# Altium PCB PCB_4Layer.PcbDoc (continued)
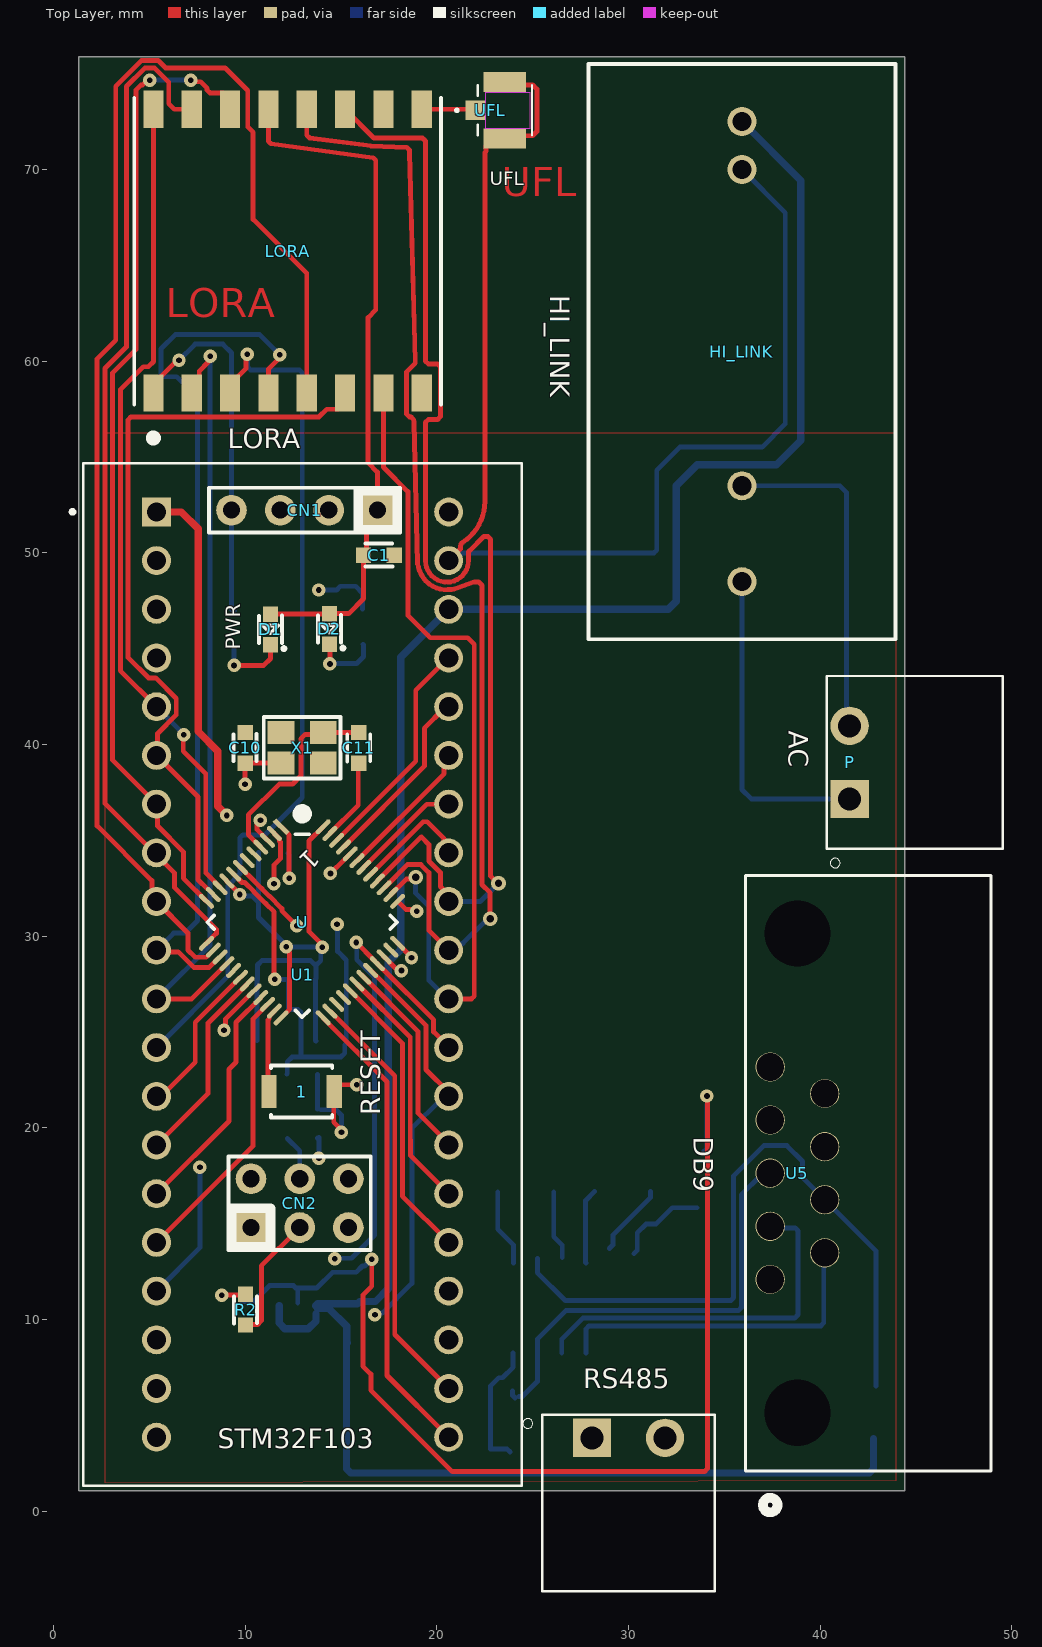
[diagram p0: Top Layer view]
## Footprints (in the part's own frame and the unit in brackets; to place one, negate y for a bottom-side part, rotate by r counter-clockwise, add the part's x,y. Pads: shape width x height; smd on the part's side, far side on the other; paste and mask are expansions set on the pad) (continued)
  rect 1x0.25 smd mask+0: 1(-4.3,2.75)
  oval 1x0.25 smd mask+0: 2(-4.3,2.25) 3(-4.3,1.75) 4(-4.3,1.25) 5(-4.3,0.75) 6(-4.3,0.25) 7(-4.3,-0.25) 8(-4.3,-0.75) 9(-4.3,-1.25) 10(-4.3,-1.75) 11(-4.3,-2.25) 12(-4.3,-2.75) 25(4.3,-2.75) 26(4.3,-2.25) 27(4.3,-1.75) 28(4.3,-1.25) 29(4.3,-0.75) 30(4.3,-0.25) 31(4.3,0.25) 32(4.3,0.75) 33(4.3,1.25) 34(4.3,1.75) 35(4.3,2.25) 36(4.3,2.75)
  oval 0.25x1 smd mask+0: 13(-2.75,-4.3) 14(-2.25,-4.3) 15(-1.75,-4.3) 16(-1.25,-4.3) 17(-0.75,-4.3) 18(-0.25,-4.3) 19(0.25,-4.3) 20(0.75,-4.3) 21(1.25,-4.3) 22(1.75,-4.3) 23(2.25,-4.3) 24(2.75,-4.3) 37(2.75,4.3) 38(2.25,4.3) 39(1.75,4.3) 40(1.25,4.3) 41(0.75,4.3) 42(0.25,4.3) 43(-0.25,4.3) 44(-0.75,4.3) 45(-1.25,4.3) 46(-1.75,4.3) 47(-2.25,4.3) 48(-2.75,4.3)
  silkscreen extent -4.25,-3.5 3.5,4.26, body extent -4.5,-4.5 4.5,4.5, height 1.45
Omron_B3U-1000P_M_0 [mm]
  rect 0.8x1.7 smd paste+0 mask+0: 1(-1.7,0) 2(1.7,0)
  silkscreen extent -1.6,-1.35 1.6,1.35, body extent -2,-1.25 2,1.25, height 1.76
PHOENIX_1803277 [mm]
  rect 2x2 hole 1.2: 1(-1.905,0)
  round 2 hole 1.2: 2(1.905,0)
  silkscreen extent -5.5,-8 4.5,1.2, body extent -4.46,-8 4.55,1.2, height 7.25
RES1608_04 [mm] "Thick Film Resistor, Body 1.6x0.8x0.45mm"
  rect 0.8x0.8 smd: 1(-0.8,0) 2(0.8,0)
  silkscreen extent -0.7,-0.6 0.72,0.6, body extent -0.8,-0.4 0.8,0.4, height 0.38
SO-16_STM [mm]
  rect 1.97x0.507 smd paste+0 mask+0: 1(-2.464,4.445) 2(-2.464,3.175) 3(-2.464,1.905) 4(-2.464,0.635) 5(-2.464,-0.635) 6(-2.464,-1.905) 7(-2.464,-3.175) 8(-2.464,-4.445) 9(2.464,-4.445) 10(2.464,-3.175) 11(2.464,-1.905) 12(2.464,-0.635) 13(2.464,0.635) 14(2.464,1.905) 15(2.464,3.175) 16(2.464,4.445)
  silkscreen extent -2.13,-5.13 3.96,5.13, body extent -3.1,-5 3.1,5, height 1.76
SOIC127P600X175-8N [mm]
  rrect25% 1.97x0.59 smd: 1(-2.475,1.905) 2(-2.475,0.635) 3(-2.475,-0.635) 4(-2.475,-1.905) 5(2.475,-1.905) 6(2.475,-0.635) 7(2.475,0.635) 8(2.475,1.905)
  silkscreen extent -4.54,-2.52 2,2.59, body extent -3,-2.45 3,2.45, height 1.75
SOT23-5 [mm] "SOT23, 5-Leads, Body 2.9x1.6mm, Pitch 0.95mm, Lead Span 2.8mm, IPC Medium Density"
  rect 1x0.6 smd mask+0.03: 1(-1.1,0.95) 2(-1.1,0) 3(-1.1,-0.95) 4(1.1,-0.95) 5(1.1,0.95)
  silkscreen extent -1.32,-1.55 0.25,1.95, body extent -1.5,-1.5 1.5,1.5, height 1.45
XCVR_RFM95W-868S2 [mm]
  rect 1.95x1.05 smd: 1(-7.4,7) 2(-7.4,5) 3(-7.4,3) 4(-7.4,1) 5(-7.4,-1) 6(-7.4,-3) 7(-7.4,-5) 8(-7.4,-7) 9(7.4,-7) 10(7.4,-5) 11(7.4,-3) 12(7.4,-1) 13(7.4,1) 14(7.4,3) 15(7.4,5) 16(7.4,7)
  silkscreen extent -10.04,-8 8,8, body extent -8,-8 8,8, height 1.8

## Part data
1: Contact Current Rating=50mA, Contact Resistance=100mR, Insulation Resistance=100MR, Manufacturer=Omron, Max Operating Temperature=70°C, Max Voltage Rating (DC)=12V, Min Operating Temperature=-25°C, Operating Force=1.5N, Package Quantity=1, Ratings="Dust Proof,IP40", Supplier Part Number 1=SW1020DKR-ND, Actuator Length=0.4mm, Actuator Type=Standard, ComponentLink1Description=https://datasheet.ciiva.com/26917/getdatasheetpartid-552554-26917552.pdf?src-supplier=Verical, ComponentLink1URL=https://datasheet.ciiva.com/26917/getdatasheetpartid-552554-26917552.pdf?src-supplier=Verical, ComponentLink2Description=https://datasheet.ciiva.com/22696/1685550-22696214.pdf?src-supplier=Element14, ComponentLink2URL=https://datasheet.ciiva.com/22696/1685550-22696214.pdf?src-supplier=Element14, ComponentLink3Description=https://datasheet.ciiva.com/1532/1685550-1532680.pdf?src-supplier=Element14, ComponentLink3URL=https://datasheet.ciiva.com/1532/1685550-1532680.pdf?src-supplier=Element14, ComponentLink4Description=https://datasheet.ciiva.com/1634/1685550-1634396.pdf?src-supplier=Farnell, ComponentLink4URL=https://datasheet.ciiva.com/1634/1685550-1634396.pdf?src-supplier=Farnell, ComponentLink5Description=https://datasheet.ciiva.com/14142/b3u-eng-datasheet-14142540.pdf?src-supplier=Distrelec, ComponentLink5URL=https://datasheet.ciiva.com/14142/b3u-eng-datasheet-14142540.pdf?src-supplier=Distrelec, ComponentLink6Description=https://datasheet.ciiva.com/2900/b3u-1110-2900029.pdf?src-supplier=Digi-Key, ComponentLink6URL=https://datasheet.ciiva.com/2900/b3u-1110-2900029.pdf?src-supplier=Digi-Key, ComponentLink7Description=https://datasheet.ciiva.com/16155/en-b3u-16155021.pdf?src-supplier=Onlinecomponents.com, ComponentLink7URL=https://datasheet.ciiva.com/16155/en-b3u-16155021.pdf?src-supplier=Onlinecomponents.com, ComponentLink8Description=https://datasheet.ciiva.com/2900/b3u-1110-2900030.pdf?src-supplier=Digi-Key, ComponentLink8URL=https://datasheet.ciiva.com/2900/b3u-1110-2900030.pdf?src-supplier=Digi-Key, ComponentLink9Description=https://datasheet.ciiva.com/16862/70176037-16862846.pdf?src-supplier=Allied+Electronics, ComponentLink9URL=https://datasheet.ciiva.com/16862/70176037-16862846.pdf?src-supplier=Allied+Electronics, ComponentLink10Description=https://datasheet.ciiva.com/2900/b3u-1110-2900031.pdf?src-supplier=Digi-Key, ComponentLink10URL=https://datasheet.ciiva.com/2900/b3u-1110-2900031.pdf?src-supplier=Digi-Key, Contact Material=Silver, Current Rating=50mA, Depth=2.5mm, Electrical Life=200000Cycles, Height=1.2mm, Illumination Type=Non-Illuminated,Illuminated, Lead Free="Lead Free", Length=4mm, Manufacturer Part Number=B3U-1000P, Max Current Rating=50mA, Mechanical Life=200000Cycles, Mount="Surface Mount", Orientation=Straight, Packaging="Tape and Reel", Pricing 1="1=0.98000, 10=0.94300, 25=0.88120, 100=0.76500, 250=0.69612, 500=0.64536, 1000=0.59822 (USD)", REACH SVHC=Unknown, RoHS=Yes, Stock=37017, Supplier 1=Digi-Key, Supplier 2=Farnell, Supplier 3=Mouser, Supplier Part Number 2=2500851, Supplier Part Number 3=653-B3U-1000P, Switch Function=Off-Mom, Switch Travel=0.15mm, Termination=SMD/SMT, Throw Configuration=SPST, Voltage Rating (DC)=12V, Weight=0.000776oz, Width=3mm
C1 C2 C3 C4 C5: "Ceramic capacitor SMD 1206 1 ÂµF 50 V 10 % Samsung Electro-Mechanics CL31B105KBHNNNE 2000 pc_s_", Package="1206 Samsung", Availability=Unavailable, MF="Samsung Electro-Mechanics", MP=CL31B105KBHNNNE, Price=None, SnapEDA_Link=https://www.snapeda.com/parts/CL31B105KBHNNNE/Samsung%20Electro-Mechanics/view-part/667732/?ref=snap
C1 C2 C3 C4 C5 C7: "CAP CER .1UF 25V 10% X7R 0603", Capacitance=0.1µF, Case Code - in=0603, Case Code - mm=1608, Case Height="0.8 mm", Case Length="1.6 mm", Dielectric=X7R, Manufacturer="Murata Electronics North America", Manufacturer Part Number=GRM188R71E104KA01D, Maximum Operating Temperature="+ 125 C", Minimum Operating Temperature="- 55 C", Operating Temperature="-55°C ~ 125°C", Operating Temperature Range="- 55 C to + 125 C", Package / Case="0603 (1608 Metric)", Package/Case="0603 (1608 metric)", Ratings=-, Supplier Part Number 1=490-1524-1-ND, Temperature Coefficient/Code="+/- 15 %", Tolerance=±10%, Voltage - Rated=25V, Voltage Rating="25 V", Applications="General Purpose", Brand="Murata Electronics", Case Width="0.8 mm", ComponentLink1Description=http://search.murata.co.jp/Ceramy/image/img/A01X/G101/ENG/GRM188R71E104KA01-01.pdf, ComponentLink1URL=http://search.murata.co.jp/Ceramy/image/img/A01X/G101/ENG/GRM188R71E104KA01-01.pdf, ComponentLink2Description=http://www.farnell.com/datasheets/1747454.pdf, ComponentLink2URL=http://www.farnell.com/datasheets/1747454.pdf, ComponentLink3Description=http://psearch.murata.com/capacitor/product/GRM188R71E104KA01%23.pdf, ComponentLink3URL=http://psearch.murata.com/capacitor/product/GRM188R71E104KA01%23.pdf, Features=-, Height - Seated (Max)=-, HelpURL=D:\MPA_ALTIUM_LIB\Released\SCH_Passive\Datasheet\Murata_Caps.pdf, Lead Spacing=-, Lead Style=-, Library=S_C_1608_MURATA_GRM, Minimum Order Quantity=1, Mounting Type="Surface Mount, MLCC", Packaging="Cut Tape (CT)", Pricing 1="1=0.32, 10=0.061, 50=0.0332, 100=0.028, 250=0.02296, 500=0.01964, 1000=0.01529 (EUR)", Pricing 2="10=0,047, 100=0,027, 500=0,022, 1000=0,017, 4000=0,012, 20000=0,011 (EUR)", Pricing 3="1=0.080, 10=0.010, 100=0.006, 1000=0.005, 4000=0.004, 8000=0.003, 48000=0.002 (EUR)", Product="General Type MLCCs", Product Category="Low & Medium Capacitance SMD Ceramic Chip Capacitors", Reeling=True, Rev=2.0, RoHS - Mouser=Y, Series=GRM, Size / Dimension="0.063\" L x 0.031\" W (1.60mm x 0.80mm)", Standard Pack Qty=4000, Supplier 1=Digi-Key, Supplier 2=Farnell, Supplier Part Number 2=1828899RL, Supplier Part Number 3=81-GRM39X104K25, Temperature Coefficient=X7R, Termination Style=SMD/SMT, Thickness (Max)="0.035\" (0.90mm)", Type="General Purpose MLCC", Voltage Rating DC="25 V"
C6 C8 C9: "CAP CER 1UF 10V X5R 0603", Manufacturer=Murata, Manufacturer Part Number=GRM188R61A105KA61D, Supplier Part Number 1=490-1543-2-ND, HelpURL=D:\MPA_ALTIUM_LIB\Released\SCH_Passive\Datasheet\Murata_Caps.pdf, Library=S_C_1608_MURATA_GRM_X5R, Rev=2.1, Supplier 1=Digikey, Supplier 2=Farnell, Supplier 3=Mouser, Supplier Part Number 2=1828798RL, Supplier Part Number 3=81-GRM39R105K10
C10 C11: "CAP CER 18PF 50V 5% C0G 0603", Case Code - in=0603, Case Code - mm=1608, Case Height="0.8 mm", Case Length="1.6 mm", Dielectric="C0G (NP0)", Manufacturer="Murata Electronics North America", Manufacturer Part Number=GRM1885C1H180JA01D, Maximum Operating Temperature="+ 125 C", Minimum Operating Temperature="- 55 C", Operating Temperature="-55°C ~ 125°C", Operating Temperature Range="- 55 C to + 125 C", Package / Case="0603 (1608 Metric)", Ratings=-, Supplier Part Number 1=490-1409-1-ND, Temperature Coefficient="C0G, NP0", Temperature Coefficient / Code="+/- 30 PPM / C", Tolerance=±5%, Voltage - Rated=50V, Voltage Rating="50 V", Applications="General Purpose", Brand="Murata Electronics", Capacitance=18pF, Case Width="0.8 mm", ComponentLink1Description=http://search.murata.co.jp/Ceramy/image/img/PDF/ENG/GRM1885C1H180JA01.pdf, ComponentLink1URL=http://search.murata.co.jp/Ceramy/image/img/PDF/ENG/GRM1885C1H180JA01.pdf, ComponentLink2Description=http://www.farnell.com/datasheets/608985.pdf, ComponentLink2URL=http://www.farnell.com/datasheets/608985.pdf, ComponentLink3Description=http://psearch.murata.com/capacitor/product/GRM1885C1H180JA01%23.pdf, ComponentLink3URL=http://psearch.murata.com/capacitor/product/GRM1885C1H180JA01%23.pdf, Features=-, HelpURL=D:\MPA_ALTIUM_LIB\Released\SCH_Passive\Datasheet\Murata_Caps.pdf, Lead Spacing=-, Lead Style=-, Library=S_C_1608_MURATA_GRM, Minimum Order Quantity=1, Mounting Type="Surface Mount, MLCC", Packaging="Cut Tape (CT)", Pricing 1="100=0.0306, 500=0.01632, 1000=0.01105 (USD)", Pricing 2="10=0,03, 100=0,022, 500=0,017, 1000=0,012, 4000=0,01, 6000=0,009 (EUR)", Pricing 3="1=0.135, 10=0.031, 100=0.019, 1000=0.015, 4000=0.011, 8000=0.009 (AUD)", Product="General Type MLCCs", Product Category="Low & Medium Capacitance SMD Ceramic Chip Capacitors", Reeling=True, Rev=2.0, RoHS - Mouser=Y, Series=GRM, Size / Dimension="0.063\" L x 0.031\" W (1.60mm x 0.80mm)", Standard Pack Qty=4000, Supplier 1=Digi-Key, Supplier 2=Farnell, Supplier Part Number 2=1828908RL, Supplier Part Number 3=81-GRM39C180J50, Termination Style=SMD/SMT, Type="General Purpose MLCC", Voltage Rating DC="50 V"
CN1: "WE_61300411121", Manufacturer="Wurth Electronics Inc", Manufacturer Part Number=61300411121, Supplier Part Number 1=732-5317-ND, ComponentLink1Description=http://katalog.we-online.de/em/datasheet/6130xx11121.pdf, ComponentLink1URL=http://katalog.we-online.de/em/datasheet/6130xx11121.pdf, Connector Type="Header, Unshrouded", Library=S_CONN_Board2Board, Pricing 1="1=0.16, 100=0.146, 500=0.12354 (EUR)", Pricing 2="1=0,216, 10=0,153, 50=0,112, 100=0,107, 250=0,093, 1000=0,078, 1000=0,069, 5000=0,063 (EUR)", Rev=2.0, Supplier 1=Digi-Key, Supplier 2=Farnell, Supplier Part Number 2=2356155
CN2: "CONN HEADER VERT DUAL 6POS 2.54", Manufacturer="Wurth Electronics Inc", Manufacturer Part Number=61300621121, Supplier Part Number 1=732-5295-ND, ComponentLink1Description=http://katalog.we-online.de/em/datasheet/6130xx21121.pdf, ComponentLink1URL=http://katalog.we-online.de/em/datasheet/6130xx21121.pdf, Connector Type="Header, Unshrouded", Library=S_CONN_Board2Board, Pricing 1="1=0.51, 100=0.455, 500=0.38508 (EUR)", Pricing 2="1=0,63, 10=0,43, 50=0,34, 100=0,32, 250=0,29, 1000=0,233, 1000=0,209, 5000=0,186 (EUR)", Rev=2.0, Supplier 1=Digi-Key, Supplier 2=Farnell, Supplier Part Number 2=2356131
D1 D2: "LED 10mA 573NM GREEN 0603 SMD", Manufacturer="Osram / OSRAM Opto Semiconductors", Manufacturer Part Number=LGQ396-PS-35, Supplier Part Number 1="LG Q396-PS-35-ND", ComponentLink1Description=http://www.farnell.com/datasheets/2057314.pdf, ComponentLink1URL=http://www.farnell.com/datasheets/2057314.pdf, HelpURL=D:\MPA_ALTIUM_LIB\Released\SCH_Semicon\Datasheet\LGQ396.pdf, Library=S_OPTO, Luminous Intensity=163mcd, Packaging="Tape and Reel", Pricing 1="32000=0.0474 (USD)", Pricing 3="1=0.19, 10=0.123, 50=0.123, 100=0.106, 1000=0.063, 10000=0.048 (USD)", Rev=2.0, Supplier 1=Digikey, Supplier 2=Farnell, Supplier Part Number 2=2575345RL, Supplier Part Number 3=720-LGQ396A3964, Wavelength=573nm
F1 F2: "FERRITE CHIP 470 OHM 1000MA 0603", Capacitance=-, Case Height="0.8 mm", Case Length="1.6 mm", Current Rating=1A, DC Resistance (DCR)="200 mOhm Max", Impedance @ Frequency="470 Ohm @ 100MHz", Manufacturer="Murata Electronics North America", Manufacturer Part Number=BLM18PG471SN1D, Maximum DC Current="1 A", Maximum DC Resistance="200 mOhms", Operating Temperature Range="- 55 C to + 125 C", Package / Case="0603 (1608 Metric)", Package/Case="0603 (1608 metric)", Supplier Part Number 1=490-5223-1-ND, Test Frequency="100 MHz", Tolerance="25 %", Brand="Murata Electronics", Case Width="0.8 mm", ComponentLink1Description=http://search.murata.co.jp/Ceramy/image/img/PDF/ENG/L0110S0100BLM18P.pdf, ComponentLink1URL=http://search.murata.co.jp/Ceramy/image/img/PDF/ENG/L0110S0100BLM18P.pdf, ComponentLink2Description=http://www.farnell.com/datasheets/1740433.pdf, ComponentLink2URL=http://www.farnell.com/datasheets/1740433.pdf, ComponentLink3Description="http://www.mouser.com/ds/2/281/Murata BL Series-202933.pdf", ComponentLink3URL="http://www.mouser.com/ds/2/281/Murata BL Series-202933.pdf", Dimensions="0.8 mm W x 1.6 mm L x 0.8 mm H", Filter Type="Differential Mode - Single", Help_URL=D:\MPA_ALTIUM_LIB\Released\SCH_Passive\Datasheet\Murata_BLM18P.pdf, Impedance="470 Ohms", Library=S_L_T, Minimum Order Quantity=1, Mounting Type="Surface Mount", Number of Lines=1, Packaging="Cut Tape (CT)", Pricing 1="25=0.1932, 100=0.1104, 250=0.07936, 500=0.05658, 1000=0.0414 (USD)", Pricing 2="5=0,052, 50=0,051, 100=0,049, 250=0,043, 500=0,039, 2000=0,035 (EUR)", Pricing 3="1=0.088, 10=0.054, 100=0.026, 1000=0.022, 4000=0.018, 8000=0.016, 24000=0.014 (EUR)", Product="Ferrite Chip Beads", Product Category="SMD EMI Filters/Chip Ferrite Beads", Reeling=True, Rev=2.0, RoHS - Mouser=Y, Standard Pack Qty=4000, Supplier 1=Digi-Key, Supplier 2=Farnell, Supplier Part Number 2=1515745, Supplier Part Number 3=81-BLM18PG471SN1D, Termination Style=SMD/SMT
HI_LINK: "2W Subminiature Series Module Power Supply", Package=Package, Availability="Not in stock", Check_prices=https://www.snapeda.com/parts/HLK-2M05/Hi-link/view-part/?ref=eda, MF=Hi-link, MP=HLK-2M05, Price=None, SnapEDA_Link=https://www.snapeda.com/parts/HLK-2M05/Hi-link/view-part/?ref=snap
LORA: "General ISM < 1GHz LoRaâ„¢ Transceiver Module 868MHz Antenna Not Included Surface Mount", Package="Non Standard RF Solutions", Availability="In Stock", Check_prices=https://www.snapeda.com/parts/RFM95W-868S2/RF+Solutions/view-part/?ref=eda, MF=RF, MP=RFM95W-868S2, Price=None, Purchase-URL=https://pricing.snapeda.com/search?q=RFM95W-868S2&ref=eda, SnapEDA_Link=https://www.snapeda.com/parts/RFM95W-868S2/RF+Solutions/view-part/?ref=snap
MAX232: "No Description Available", Mfr_Name=STMicroelectronics, Digi-Key_Part_Number_1=497-6529-1-ND, Digi-Key_Part_Number_2=497-6529-2-ND, Digi-Key_Part_Number_3=497-6529-6-ND, RefDes=RefDes, Type=Type
MAX485: "1/1 Transceiver Half RS422, RS485 8-SOIC", Package="SOIC-8 Maxim", Availability="In Stock", Check_prices=https://www.snapeda.com/parts/MAX485ESA/Maxim+Integrated/view-part/?ref=eda, MF="Maxim Integrated", MP=MAX485ESA, Price=None, Purchase-URL=https://pricing.snapeda.com/search/part/MAX485ESA/?ref=eda, SnapEDA_Link=https://www.snapeda.com/parts/MAX485ESA/Maxim+Integrated/view-part/?ref=snap
P RS485: "2 Position Terminal Block Header, Male Pins, Shrouded _4 Side_ 0.150 _3.81mm_ 90Â°, Right Angle Through Hole", Package="FakePackage N", Digi-Key_Part_Number=277-1206-ND, Digi-Key_Purchase_URL=https://www.digikey.com/product-detail/en/phoenix-contact/1803277/277-1206-ND/260574?utm_source=snapeda&utm_medium=aggregator&utm_campaign=symbol, MF="Phoenix Contact", MP=1803277, SnapEDA_Link=https://www.snapeda.com/parts/1803277/Phoenix%20Contact/view-part/115436/?ref=snap
R1 R4: "RES 470 OHM 1/10W 1% 0603 SMD", Case Code - in=0603, Case Code - mm=1608, Case Height="0.45 mm", Case Length="1.6 mm", Case Width="0.8 mm", Manufacturer="Panasonic - ECG", Manufacturer Part Number=ERJ-3EKF4700V, Operating Temperature Range="- 55 C to + 155 C", Package / Case="0603 (1608 Metric)", Package/Case="0603 (1608 metric)", Power (Watts)="0.1W, 1/10W", Power Rating="100 mW", Resistance="470 Ohms", Resistance (Ohms)=470, Supplier Part Number 1=P470HCT-ND, Temperature Coefficient=±100ppm/°C, Tolerance=±1%, Voltage Rating="75 V", Brand=Panasonic, ComponentLink1Description=http://industrial.panasonic.com/www-cgi/jvcr13pz.cgi?E+PZ+3+AOA0002+ERJ3EKF4700V+7+WW, ComponentLink1URL=http://industrial.panasonic.com/www-cgi/jvcr13pz.cgi?E+PZ+3+AOA0002+ERJ3EKF4700V+7+WW, ComponentLink2Description=http://www.farnell.com/datasheets/1678782.pdf, ComponentLink2URL=http://www.farnell.com/datasheets/1678782.pdf, ComponentLink3Description=http://www.farnell.com/datasheets/1718548.pdf, ComponentLink3URL=http://www.farnell.com/datasheets/1718548.pdf, ComponentLink4Description=http://industrial.panasonic.com/www-data/pdf/AOA0000/AOA0000CE2.pdf, ComponentLink4URL=http://industrial.panasonic.com/www-data/pdf/AOA0000/AOA0000CE2.pdf, Composition="Thick Film", Features=-, HelpURL=D:\MPA_ALTIUM_LIB\Released\SCH_Passive\Datasheet\Panasonic_ERJ.pdf, Library=S_R_1608_Panasonic_ERJ, Minimum Order Quantity=1, Number of Terminations=2, Packaging="Cut Tape (CT)", Pricing 1="1=0.08, 50=0.0124, 100=0.0094, 250=0.00692, 500=0.00512, 1000=0.00342, 2500=0.00289 (EUR)", Pricing 2="5=0,0538, 50=0,0113, 100=0,0088, 500=0,005, 1000=0,0038, 5000=0,0025 (EUR)", Pricing 3="1=0.080, 10=0.012, 100=0.006, 500=0.005, 1000=0.003, 5000=0.003 (EUR)", Product="Thick Film Resistors SMD", Reeling=True, Rev=2.0, RoHS - Mouser=E, Series=ERJ, Standard Pack Qty=5000, Supplier 1=Digi-Key, Supplier 2=Farnell, Supplier Device Package=0603, Supplier Part Number 2=2303120, Supplier Part Number 3=667-ERJ-3EKF4700V, Type="Precision Thick Film Resistors SMD"
R2 R3: "RES 100K OHM 1/10W 1% 0603 SMD", Case Code - in=0603, Case Code - mm=1608, Case Height="0.45 mm", Case Length="1.6 mm", Case Width="0.8 mm", Manufacturer="Panasonic - ECG", Manufacturer Part Number=ERJ-3EKF1003V, Operating Temperature Range="- 55 C to + 155 C", Package / Case="0603 (1608 Metric)", Package/Case="0603 (1608 metric)", Power (Watts)="0.1W, 1/10W", Power Rating="100 mW", Resistance="100 kOhms", Supplier Part Number 1=P100KHCT-ND, Temperature Coefficient=±100ppm/°C, Temperaturkoeffizient="± 100", Tolerance=±1%, Voltage Rating="75 V", Widerstandstoleranz="± 1%", Bauform="0603 [Metrisch 1608]", Brand=Panasonic, ComponentLink1Description=http://industrial.panasonic.com/www-cgi/jvcr13pz.cgi?E+PZ+3+AOA0002+ERJ3EKF1003V+7+WW, ComponentLink1URL=http://industrial.panasonic.com/www-cgi/jvcr13pz.cgi?E+PZ+3+AOA0002+ERJ3EKF1003V+7+WW, ComponentLink2Description=http://www.farnell.com/datasheets/1678782.pdf, ComponentLink2URL=http://www.farnell.com/datasheets/1678782.pdf, ComponentLink3Description=http://www.farnell.com/datasheets/1718548.pdf, ComponentLink3URL=http://www.farnell.com/datasheets/1718548.pdf, ComponentLink4Description=http://industrial.panasonic.com/www-data/pdf/AOA0000/AOA0000CE2.pdf, ComponentLink4URL=http://industrial.panasonic.com/www-data/pdf/AOA0000/AOA0000CE2.pdf, Composition="Thick Film", Features=-, Height="0.022\" (0.55mm)", HelpURL=D:\MPA_ALTIUM_LIB\Released\SCH_Passive\Datasheet\Panasonic_ERJ.pdf, Library=S_R_1608_Panasonic_ERJ, Minimum Order Quantity=1, MSL=-, Nennleistung=100, Nennspannung=75, Number of Terminations=2, Packaging="Cut Tape (CT)", Pricing 1="1=0.08, 50=0.0124, 100=0.0094, 250=0.00692, 500=0.00512, 1000=0.00342, 2500=0.00289 (EUR)", Pricing 2="5=0,0538, 50=0,0113, 100=0,0088, 500=0,005, 1000=0,0038, 5000=0,0025 (EUR)", Pricing 3="1=0.080, 10=0.011, 100=0.007, 500=0.006, 1000=0.003, 5000=0.003 (EUR)", Product="Thick Film Resistors SMD", Produktpalette="PANASONIC - ERJ Series", Reeling=True, Resistance (Ohms)=100k, Rev=2.0, RoHS - Mouser=E, Series=ERJ, Size / Dimension="0.063\" L x 0.031\" W (1.60mm x 0.80mm)", Standard Pack Qty=5000, Supplier 1=Digi-Key, Supplier 2=Farnell, Supplier Device Package=0603, Supplier Part Number 2=2303232, Supplier Part Number 3=667-ERJ-3EKF1003V, SVHC="No SVHC (16-Dec-2013)", Type="Precision Thick Film Resistors SMD", Verpackung=Gurtabschnitt, Widerstand=100, Widerstandselement=Dickschicht
R5: "RES 10.0K OHM 1/10W 1% 0603 SMD", Case Code - in=0603, Case Code - mm=1608, Case Height="0.45 mm", Case Length="1.6 mm", Case Width="0.8 mm", Manufacturer="Panasonic - ECG", Manufacturer Part Number=ERJ-3EKF1002V, Operating Temperature Range="- 55 C to + 155 C", Package / Case="0603 (1608 Metric)", Package/Case="0603 (1608 metric)", Power (Watts)="0.1W, 1/10W", Power Rating="100 mW", Resistance="10 kOhms", Supplier Part Number 1=P10.0KHCT-ND, Temperature Coefficient=±100ppm/°C, Tolerance=±1%, Voltage Rating="75 V", Brand=Panasonic, ComponentLink1Description=http://industrial.panasonic.com/www-cgi/jvcr13pz.cgi?E+PZ+3+AOA0002+ERJ3EKF1002V+7+WW, ComponentLink1URL=http://industrial.panasonic.com/www-cgi/jvcr13pz.cgi?E+PZ+3+AOA0002+ERJ3EKF1002V+7+WW, ComponentLink2Description=http://www.farnell.com/datasheets/1678782.pdf, ComponentLink2URL=http://www.farnell.com/datasheets/1678782.pdf, ComponentLink3Description=http://www.farnell.com/datasheets/1718548.pdf, ComponentLink3URL=http://www.farnell.com/datasheets/1718548.pdf, ComponentLink4Description=http://industrial.panasonic.com/www-data/pdf/AOA0000/AOA0000CE2.pdf, ComponentLink4URL=http://industrial.panasonic.com/www-data/pdf/AOA0000/AOA0000CE2.pdf, Composition="Thick Film", Features=-, Height="0.022\" (0.55mm)", HelpURL=D:\MPA_ALTIUM_LIB\Released\SCH_Passive\Datasheet\Panasonic_ERJ.pdf, Library=S_R_1608_Panasonic_ERJ, Minimum Order Quantity=1, Number of Terminations=2, Packaging="Cut Tape (CT)", Pricing 1="1=0.08, 50=0.0124, 100=0.0094, 250=0.00692, 500=0.00512, 1000=0.00342, 2500=0.00289 (EUR)", Pricing 2="5=0,0538, 50=0,0113, 100=0,0088, 500=0,005, 1000=0,0038, 5000=0,0025 (EUR)", Pricing 3="1=0.080, 10=0.011, 100=0.007, 500=0.006, 1000=0.003, 5000=0.003 (EUR)", Product="Thick Film Resistors SMD", Reeling=True, Resistance (Ohms)=10k, Rev=2.0, RoHS - Mouser=E, Series=ERJ, Size / Dimension="0.063\" L x 0.031\" W (1.60mm x 0.80mm)", Standard Pack Qty=5000, Supplier 1=Digi-Key, Supplier 2=Farnell, Supplier Device Package=0603, Supplier Part Number 2=2303192, Supplier Part Number 3=667-ERJ-3EKF1002V, Type="Precision Thick Film Resistors SMD"